# KiCad board AICORS_PCB.kicad_pcb (continued)
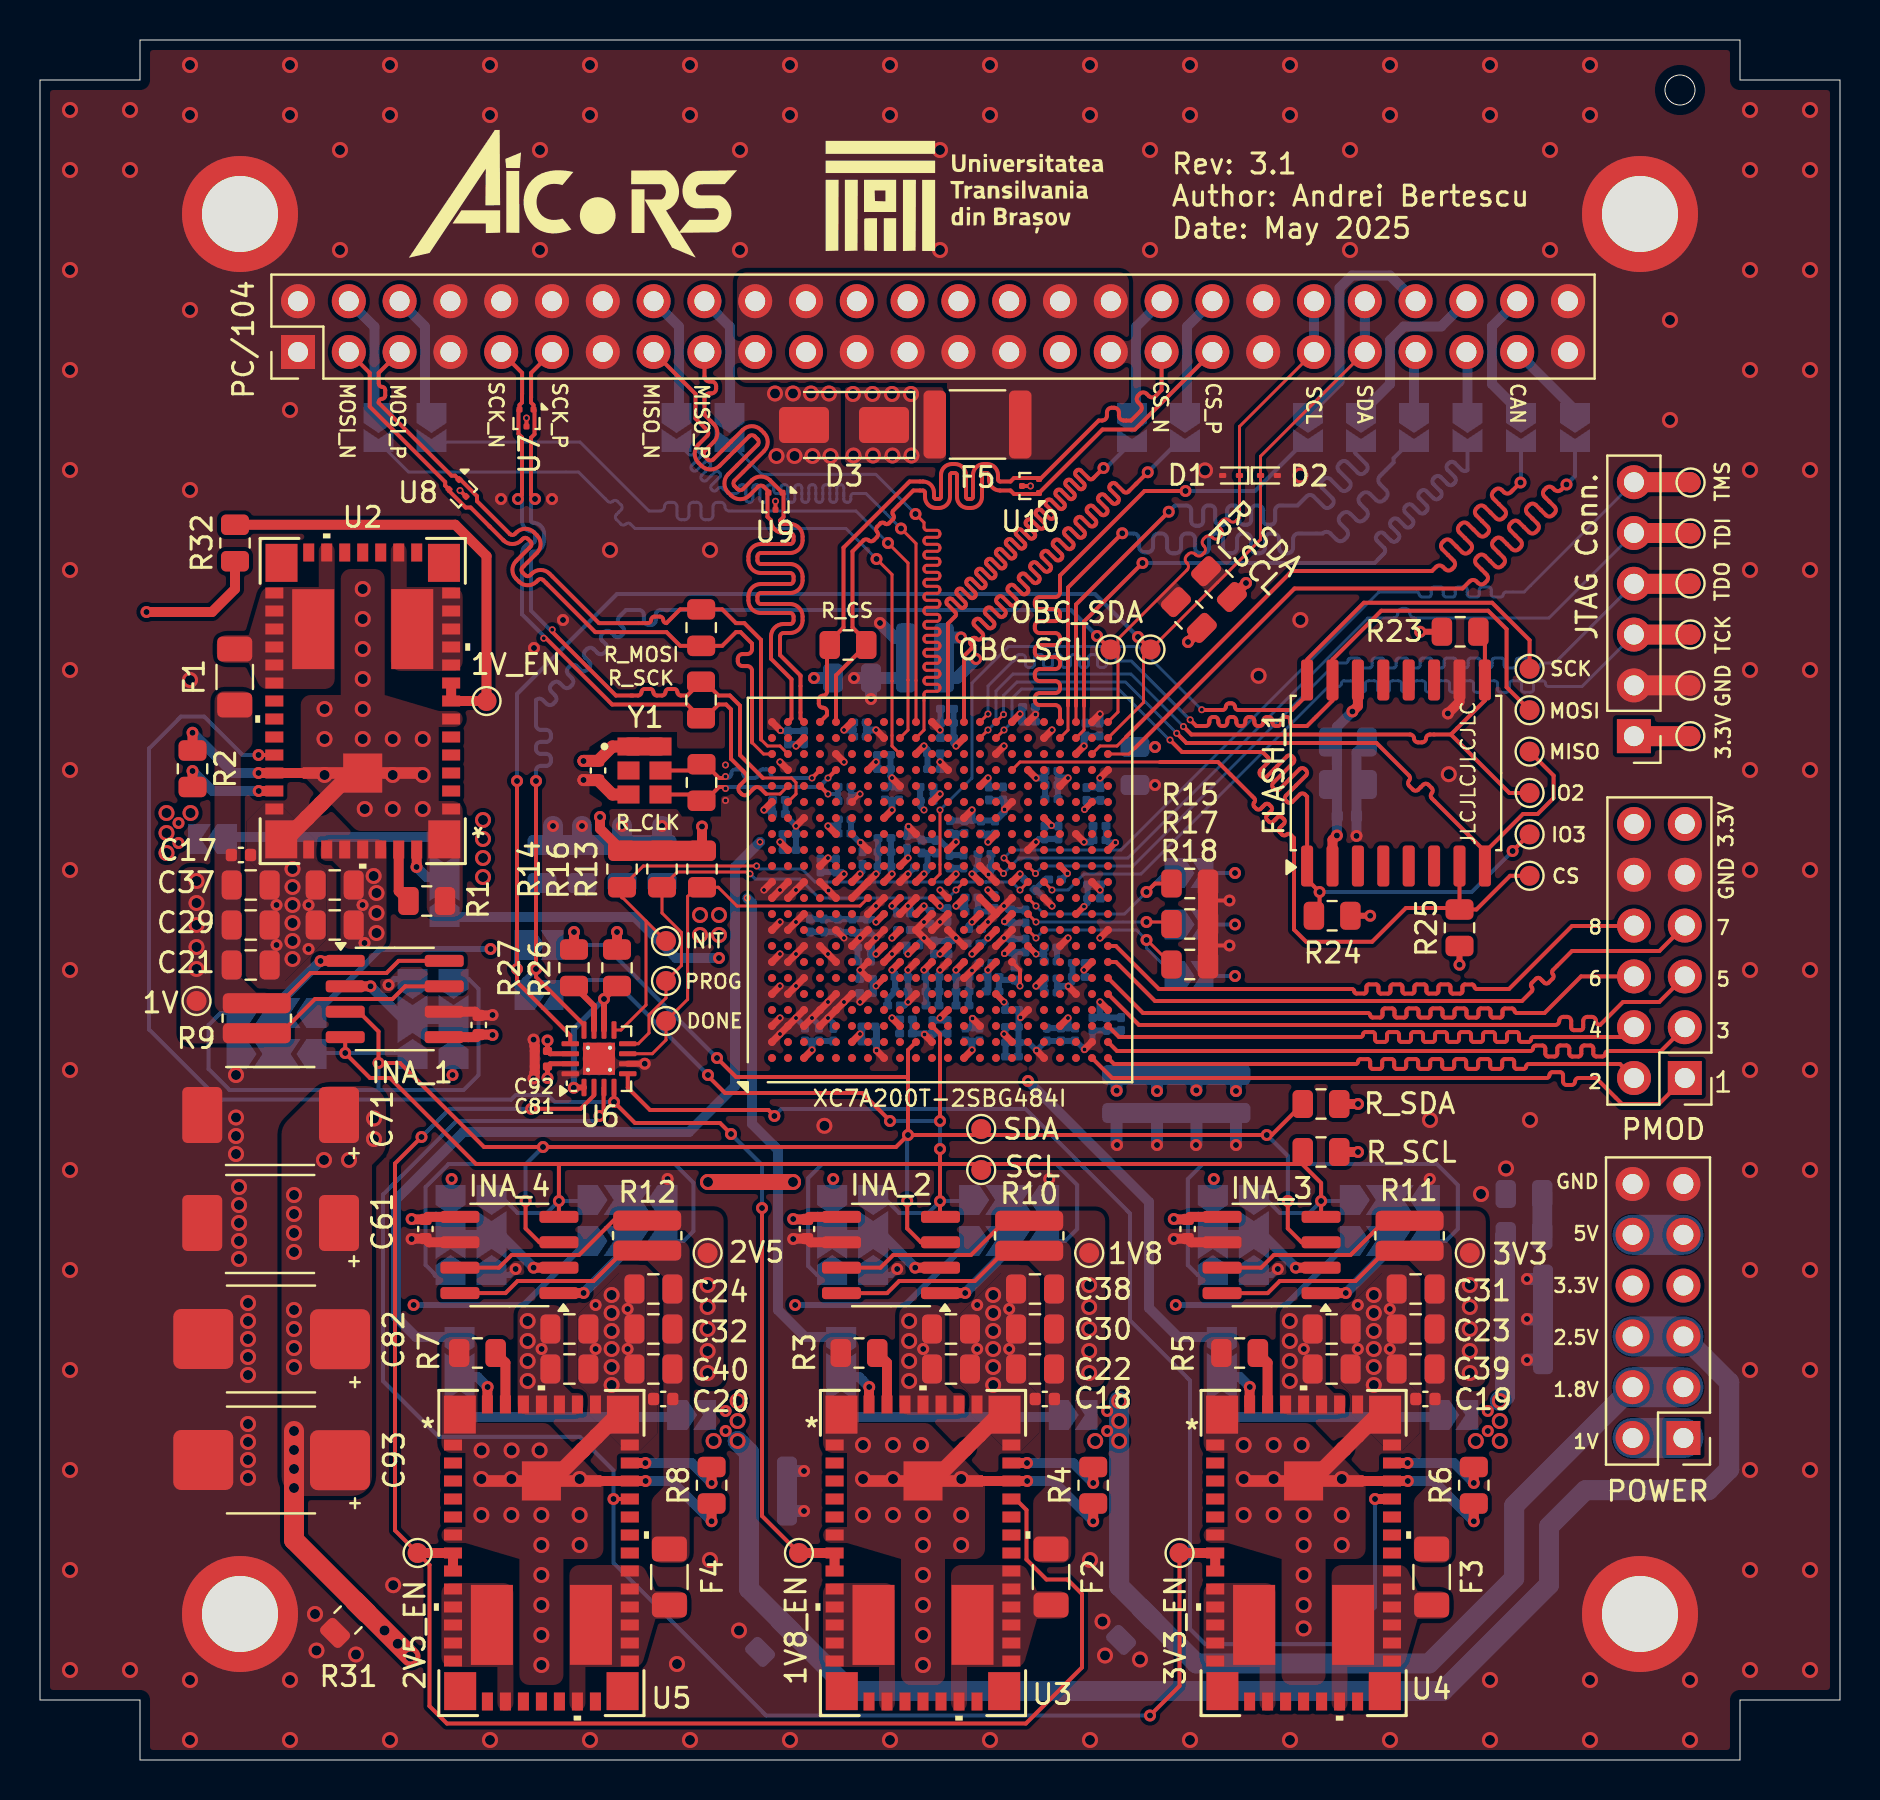
[diagram p0: board, top side]
## Routing (per net, layer and track width the routed paths; a pad name or vN(x,y) marks a point on that pad's centre or on a via; arc(x,y) is an arc through that point) (continued)
SPI_1_MOSI_IO0: length 46.6
  Top w0.15: U1.P22 v2(47.4,52.3)
  Top w0.2: v2(57.51,52.01) 57.82,51.7 58.29,51.7 arc(58.41,51.75) 58.47,51.88 58.47,51.97 arc(58.52,52.1) 58.65,52.15 58.74,52.15 arc(58.86,52.1) 58.92,51.97 58.92,51.88 arc(58.97,51.75) 59.1,51.7 59.19,51.7 arc(59.31,51.75) 59.37,51.88 59.37,51.97 arc(59.42,52.1) 59.55,52.15 59.64,52.15 arc(59.76,52.1) 59.82,51.97 59.82,51.88 arc(59.87,51.75) 60,51.7 60.09,51.7 arc(60.21,51.75) 60.27,51.88 60.27,51.97 arc(60.32,52.1) 60.45,52.15 60.54,52.15 arc(60.66,52.1) 60.72,51.97 60.72,51.88 arc(60.77,51.75) 60.9,51.7 60.99,51.7 arc(61.11,51.75) 61.17,51.88 61.17,51.97 arc(61.22,52.1) 61.35,52.15 61.44,52.15 arc(61.56,52.1) 61.62,51.97 61.62,51.88 arc(61.67,51.75) 61.8,51.7 61.89,51.7 arc(62.01,51.75) 62.07,51.88 62.07,51.97 arc(62.12,52.1) 62.25,52.15 62.34,52.15 arc(62.46,52.1) 62.52,51.97 62.52,51.88 arc(62.57,51.75) 62.7,51.7 63.35,51.7 64.62,52.98 FLASH_1.15 64.62,55.02 67.06,57.46 72.41,57.46 73.33,56.54 73.33,53.64 TP13.1
  Bottom w0.15: v2(47.4,52.3) 47.4,53.7 48.65,54.95 arc(48.76,55) 48.81,55.11 arc(48.86,55.22) 48.97,55.27 49.12,55.27 arc(49.23,55.22) 49.27,55.11 49.27,54.79 arc(49.32,54.68) 49.44,54.63 49.56,54.63 arc(49.68,54.68) 49.73,54.79 49.73,55.11 arc(49.77,55.22) 49.89,55.27 50.01,55.27 arc(50.13,55.22) 50.18,55.11 50.18,54.79 arc(50.22,54.68) 50.34,54.63 50.46,54.63 arc(50.58,54.68) 50.63,54.79 50.63,55.11 arc(50.67,55.22) 50.79,55.27 50.91,55.27 arc(51.03,55.22) 51.07,55.11 51.07,54.79 arc(51.12,54.68) 51.24,54.63 51.36,54.63 arc(51.48,54.68) 51.52,54.79 51.52,55.11 arc(51.57,55.22) 51.69,55.27 51.81,55.27 arc(51.93,55.22) 51.98,55.11 51.98,54.79 arc(52.02,54.68) 52.14,54.63 52.26,54.63 arc(52.38,54.68) 52.43,54.79 52.43,55.11 arc(52.47,55.22) 52.59,55.27 52.71,55.27 arc(52.83,55.22) 52.88,55.11 52.88,54.79 arc(52.92,54.68) 53.04,54.63 53.16,54.63 arc(53.28,54.68) 53.32,54.79 53.32,55.11 arc(53.37,55.22) 53.48,55.27 53.62,55.27 arc(53.73,55.22) 53.77,55.11 arc(53.82,55) 53.93,54.95 54.57,54.95 v2(57.51,52.01)
SPI_1_SCK: length 45.5
  Top w0.15: U1.L12 45,44.3 v2(45,47.5)
  Top w0.2: FLASH_1.16 63.35,53.25 62.6,52.5 59.91,52.5 arc(59.79,52.55) 59.74,52.67 arc(59.69,52.78) 59.58,52.83 59.46,52.83 arc(59.34,52.78) 59.29,52.67 arc(59.24,52.55) 59.13,52.5 58.1,52.5 v2(58.09,52.51) ; 63.35,55.02 66.19,57.86 72.61,57.86 74.48,55.99 TP12.1
  Bottom w0.15: v2(45,47.5) 46.6,49.1 46.6,53.85 48.43,55.67 54.93,55.67 v2(58.09,52.51)
SPI_CS_N: length 38.1
  Top w0.2: J1.35 56.08,68.5 55.78,68.2 arc(55.61,68.13) 55.44,68.2 55.33,68.31 arc(55.16,68.38) 54.99,68.31 54.91,68.23 arc(54.84,68.06) 54.91,67.89 55.02,67.77 arc(55.09,67.6) 55.02,67.43 54.56,66.97 54.19,66.97 arc(54.02,67.05) 53.95,67.21 53.95,67.37 arc(53.88,67.54) 53.71,67.61 53.59,67.61 arc(53.42,67.54) 53.35,67.37 53.35,67.21 arc(53.28,67.05) 53.11,66.97 52.94,66.97 50.01,64.05 U10.2 49.9,64.1 48.7,64.1 48.52,63.92 48,63.92 arc(47.93,63.95) 47.9,64.02 47.9,64.25 arc(47.74,64.64) 47.35,64.8 47.2,64.8 arc(46.81,64.64) 46.65,64.25 46.65,63.15 arc(46.62,63.08) 46.55,63.05 46.4,63.05 arc(46.33,63.08) 46.3,63.15 46.3,64.25 arc(46.14,64.64) 45.75,64.8 45.6,64.8 arc(45.21,64.64) 45.05,64.25 45.05,63.15 arc(45.02,63.08) 44.95,63.05 44.8,63.05 arc(44.73,63.08) 44.7,63.15 44.7,63.38 arc(44.54,63.76) 44.15,63.92 43.48,63.92 40.18,60.62 40.18,56.62 39.49,55.94 R37.1 39.35,55.61 39.35,53.42 arc(39.29,53.27) 39.14,53.21 arc(39,53.15) 38.94,53.01 38.94,52.82 arc(39,52.67) 39.14,52.61 arc(39.29,52.55) 39.35,52.41 39.35,52.25 U1.D22
SPI_CS_P: length 38.1
  Top w0.2: U1.E22 39.8,54.24 R37.2 41.31,55.94 40.63,56.62 40.63,60.43 41.18,60.98 arc(41.3,61.04) 41.43,60.98 arc(41.56,60.93) 41.68,60.98 41.85,61.15 arc(41.91,61.28) 41.85,61.41 arc(41.8,61.53) 41.85,61.66 42.03,61.83 arc(42.13,61.88) 42.23,61.83 arc(42.34,61.79) 42.44,61.83 42.66,62.05 arc(42.7,62.15) 42.66,62.26 arc(42.61,62.36) 42.66,62.46 43.67,63.47 44.15,63.47 arc(44.22,63.45) 44.25,63.38 44.25,63.15 arc(44.41,62.76) 44.8,62.6 44.95,62.6 arc(45.34,62.76) 45.5,63.15 45.5,64.25 arc(45.53,64.32) 45.6,64.35 45.75,64.35 arc(45.82,64.32) 45.85,64.25 45.85,63.15 arc(46.01,62.76) 46.4,62.6 46.55,62.6 arc(46.94,62.76) 47.1,63.15 47.1,64.25 arc(47.13,64.32) 47.2,64.35 47.35,64.35 arc(47.42,64.32) 47.45,64.25 47.45,64.02 arc(47.61,63.64) 48,63.47 48.52,63.47 48.7,63.3 49.9,63.3 U10.1 53.13,66.52 54.74,66.52 J1.37
SPI_MISO_IO1_N: length 38
  Top w0.2: U1.B22 37.57,52.07 37.57,54.04 36.55,55.06 36.55,56.17 arc(36.73,56.62) 37.18,56.8 37.5,56.8 arc(37.63,56.85) 37.68,56.97 37.68,57.17 arc(37.63,57.3) 37.5,57.35 36.05,57.35 arc(35.6,57.53) 35.42,57.97 35.42,58.17 arc(35.6,58.62) 36.05,58.8 37.5,58.8 arc(37.63,58.85) 37.68,58.97 37.68,59.17 arc(37.63,59.3) 37.5,59.35 36.05,59.35 arc(35.6,59.53) 35.42,59.97 35.42,60.17 arc(35.6,60.62) 36.05,60.8 37.5,60.8 arc(37.63,60.85) 37.68,60.97 37.68,61.17 arc(37.63,61.3) 37.5,61.35 37.18,61.35 arc(36.73,61.53) 36.55,61.97 36.55,61.98 36.37,62.16 36.37,63.31 U9.2 36.43,63.43 36.18,63.67 arc(36.05,63.72) 35.91,63.67 35.47,63.23 arc(35.01,63.04) 34.56,63.23 34.41,63.38 arc(34.22,63.83) 34.41,64.29 35.88,65.76 arc(35.94,65.9) 35.88,66.04 35.73,66.19 arc(35.59,66.24) 35.46,66.19 33.98,64.71 arc(33.53,64.52) 33.07,64.71 32.92,64.86 arc(32.73,65.32) 32.92,65.77 33.36,66.21 arc(33.42,66.35) 33.36,66.49 32.77,67.08 32.77,68.3 J1.15
SPI_MISO_IO1_P: length 38
  Top w0.2: J1.17 33.23,70.39 33.23,69.17 arc(33.3,69) 33.46,68.93 33.57,68.93 arc(33.74,68.86) 33.81,68.69 33.81,68.57 arc(33.74,68.4) 33.57,68.33 33.46,68.33 arc(33.3,68.26) 33.23,68.09 33.23,67.26 33.68,66.81 arc(33.87,66.35) 33.68,65.89 33.24,65.46 arc(33.18,65.32) 33.24,65.18 33.39,65.03 arc(33.53,64.97) 33.67,65.03 35.14,66.5 arc(35.59,66.69) 36.05,66.5 36.2,66.35 arc(36.39,65.9) 36.2,65.44 34.73,63.97 arc(34.67,63.83) 34.73,63.69 34.88,63.55 arc(35.01,63.49) 35.15,63.55 35.59,63.99 arc(36.05,64.17) 36.5,63.99 U9.1 37.18,63.31 37.18,62.15 37,61.97 arc(37.05,61.85) 37.18,61.8 37.5,61.8 arc(37.95,61.62) 38.13,61.17 38.13,60.97 arc(37.95,60.53) 37.5,60.35 36.05,60.35 arc(35.92,60.3) 35.87,60.17 35.87,59.97 arc(35.92,59.85) 36.05,59.8 37.5,59.8 arc(37.95,59.62) 38.13,59.17 38.13,58.97 arc(37.95,58.53) 37.5,58.35 36.05,58.35 arc(35.92,58.3) 35.87,58.17 35.87,57.97 arc(35.92,57.85) 36.05,57.8 37.5,57.8 arc(37.95,57.62) 38.13,57.17 38.13,56.97 arc(37.95,56.53) 37.5,56.35 37.18,56.35 arc(37.05,56.3) 37,56.17 37,55.25 38.02,54.22 38.02,52.07 U1.C22
SPI_MOSI_IO0_N: length 37.7
  Top w0.15: 35.6,50.88 36.18,50.3 U1.A20
  Top w0.2: 35.6,50.88 35.6,54.46 arc(35.53,54.63) 35.36,54.7 35.13,54.7 arc(34.96,54.77) 34.89,54.94 34.89,55.06 arc(34.96,55.23) 35.13,55.3 35.36,55.3 arc(35.53,55.37) 35.6,55.54 35.6,55.82 35.03,56.39 34.8,56.39 34.11,55.71 R36.1 32.01,55.71 31.32,56.39 27.76,56.39 25.16,59 arc(25.03,59.05) 24.91,59 24.83,58.92 arc(24.39,58.74) 23.94,58.92 23.8,59.06 arc(23.62,59.5) 23.8,59.95 24.53,60.67 arc(24.58,60.8) 24.53,60.92 24.39,61.06 arc(24.26,61.11) 24.14,61.06 24.06,60.98 arc(23.62,60.8) 23.18,60.98 21.53,62.62 21.28,62.62 20.45,63.46 U8.2 20.26,63.72 20.26,63.9 16.49,67.67 16.49,69.35 J1.3
SPI_MOSI_IO0_P: length 37.7
  Top w0.15: U1.B20 37,50.7 36.38,50.7 36.05,51.02
  Top w0.2: J1.5 16.93,69.35 16.93,68.82 arc(16.98,68.71) 17.1,68.66 arc(17.21,68.61) 17.26,68.5 17.26,68.22 arc(17.21,68.11) 17.1,68.06 arc(16.98,68.01) 16.93,67.9 16.93,67.86 20.58,64.22 20.75,64.22 U8.1 21.02,64.02 21.85,63.19 21.85,62.94 23.49,61.3 arc(23.62,61.25) 23.74,61.3 23.82,61.38 arc(24.26,61.56) 24.71,61.38 24.85,61.24 arc(25.03,60.8) 24.85,60.35 24.12,59.63 arc(24.07,59.5) 24.12,59.38 24.26,59.24 arc(24.39,59.19) 24.51,59.24 24.59,59.32 arc(25.03,59.5) 25.47,59.32 27.95,56.84 30.4,56.84 arc(30.51,56.89) 30.56,57.01 arc(30.61,57.12) 30.72,57.17 31,57.17 arc(31.11,57.12) 31.16,57.01 arc(31.21,56.89) 31.32,56.84 32.01,57.53 R36.2 34.11,57.53 34.8,56.84 35.21,56.84 36.05,56.01 36.05,51.02
SPI_SCK_N: length 35.2
  Top w0.15: 36.31,48.3 37,48.3 U1.B18
  Top w0.2: 36.31,48.3 36.03,48.58 arc(35.86,48.65) 35.69,48.58 35.41,48.3 arc(35.24,48.23) 35.08,48.3 34.99,48.39 arc(34.92,48.56) 34.99,48.73 35.26,49 arc(35.33,49.17) 35.26,49.34 34.55,50.06 34.55,52.53 34.31,52.77 33.93,52.77 33.24,52.09 R34.1 32.36,52.77 28.61,52.77 25.29,56.09 v2(25.19,56.09) ; v1(23.9,63.05) 24.1,63.25 24.1,66.13 23.92,66.3 23.92,67.47 U7.2 23.98,67.75 24.1,67.88 24.1,68.29 24.1,68.3 24.1,69.35 J1.9
  Bottom w0.2: v2(25.19,56.09) 25.19,56.19 24.1,57.28 24.1,60.31 arc(24.26,60.7) 24.65,60.86 arc(24.72,60.89) 24.75,60.96 24.75,61.31 arc(24.72,61.38) 24.65,61.41 arc(24.26,61.57) 24.1,61.96 24.1,62.85 v1(23.9,63.05)
SPI_SCK_P: length 35.2
  Top w0.15: 36.14,49.1 37.57,49.1 37.8,48.88 37.8,48.3 U1.B17
  Top w0.2: v1(24.75,63.05) 24.55,63.25 24.55,66.11 24.73,66.29 24.73,67.47 24.68,67.52 24.68,67.75 24.55,67.88 24.55,68.12 24.55,68.13 24.55,69.35 J1.11 ; v2(25.61,56.51) 25.61,56.41 28.79,53.23 29.91,53.23 arc(30.02,53.27) 30.07,53.39 arc(30.12,53.5) 30.23,53.55 30.51,53.55 arc(30.62,53.5) 30.67,53.39 arc(30.72,53.27) 30.83,53.23 31.11,53.23 arc(31.22,53.27) 31.27,53.39 arc(31.32,53.5) 31.43,53.55 31.71,53.55 arc(31.82,53.5) 31.87,53.39 arc(31.92,53.27) 32.03,53.23 32.36,53.23 R34.2 33.24,53.91 33.93,53.22 34.49,53.22 35,52.72 35,50.24 36.14,49.1
  Bottom w0.2: v2(25.61,56.51) 25.51,56.51 24.55,57.47 24.55,60.31 arc(24.58,60.38) 24.65,60.41 arc(25.04,60.57) 25.2,60.96 25.2,61.31 arc(25.04,61.7) 24.65,61.86 arc(24.58,61.89) 24.55,61.96 24.55,62.85 v1(24.75,63.05)
SYS_CLK_N: length 9.6
  Top w0.2: U1.D19 v2(38.6,49.1) ; v2(34.27,49.17) 34.2,49.1 33.95,49.1 33.26,49.79 R35.1 32.76,49.47 Y1.5
  Bottom w0.2: v2(38.6,49.1) 36.75,49.1 arc(36.6,49.16) 36.53,49.32 arc(36.47,49.47) 36.32,49.53 36.15,49.53 arc(36,49.47) 35.93,49.32 arc(35.87,49.16) 35.72,49.1 35.38,49.1 arc(35.23,49.16) 35.17,49.32 arc(35.1,49.47) 34.95,49.53 34.78,49.53 arc(34.63,49.47) 34.57,49.32 arc(34.5,49.16) 34.35,49.1 v2(34.27,49.17)
SYS_CLK_P: length 9.6
  Top w0.2: v2(34.27,48.57) 34.2,48.65 33.95,48.65 33.26,47.96 R35.2 32.76,48.27 Y1.4 ; U1.E19 v2(39.4,49.1)
  Bottom w0.2: v2(34.27,48.57) 34.35,48.65 38.95,48.65 v2(39.4,49.1)
Net-(INA_1-A0): length 6.1
  Top w0.5: v1(16.53,38.68) 15.26,38.68
  Bottom w0.5: v1(16.53,38.68) 18.16,37.05 A0_1.5
Net-(INA_1-A1): length 6.9
  Top w0.5: INA_1.1 14.03,39.95 v1(14.03,39.95)
  Bottom w0.5: v1(14.03,39.95) 11.83,37.75 A1_1.5 ; A1_1.5 11.93,37.35 ; A1_1.5 A1_1.5
Net-(INA_1-IN+): length 8.8
  Top w0.2: INA_1.8 17.93,39.95 17.33,39.35 13.53,39.35 12.37,38.19 12.37,37.93
Net-(INA_2-A0): length 6.1
  Top w0.5: v1(43.76,24.61) INA_2.2
  Bottom w0.5: v1(43.76,24.61) 42.12,26.25 A0_2.5
Net-(INA_2-A1): length 6.9
  Top w0.5: v1(46.26,23.35) 46.25,23.34 INA_2.1
  Bottom w0.5: 48.36,25.95 A1_2.5 ; A1_2.5 48.46,25.55 v1(46.26,23.35) ; A1_2.5 A1_2.5
Net-(INA_2-IN+): length 8.8
  Top w0.2: INA_2.8 42.35,23.34 42.96,23.95 46.74,23.95 47.92,25.13 47.92,25.36
Net-(INA_3-A0): length 6.1
  Top w0.5: v1(62.79,24.61) INA_3.2
  Bottom w0.5: v1(62.79,24.61) 61.16,26.25 A0_3.5
Net-(INA_3-A1): length 6.9
  Top w0.5: INA_3.1 65.29,23.34 v1(65.29,23.35)
  Bottom w0.5: A1_3.5 A1_3.5 ; A1_3.5 67.39,25.95 ; A1_3.5 67.49,25.55 v1(65.29,23.35)
Net-(INA_3-IN+): length 8.8
  Top w0.2: INA_3.8 61.39,23.34 61.99,23.95 65.78,23.95 66.95,25.12 66.95,25.36
Net-(INA_4-A0): length 6.1
  Top w0.5: v1(24.68,24.62) INA_4.2
  Bottom w0.5: v1(24.68,24.62) 23.05,26.25 A0_4.5
Net-(INA_4-A1): length 6.9
  Top w0.5: v1(27.18,23.35) 27.18,23.35 INA_4.1
  Bottom w0.5: v1(27.18,23.35) 29.38,25.55 A1_4.5 ; 29.28,25.95 A1_4.5 ; A1_4.5 A1_4.5
Net-(INA_4-IN+): length 8.8
  Top w0.2: 28.84,25.37 28.84,25.11 27.68,23.95 23.88,23.95 23.28,23.35 INA_4.8
Net-(J1-Pin_4): length 6.2
  Bottom w0.5: J1.4 16.73,71.66 16.73,67.55 JP14.1
Net-(J1-Pin_6): length 6.3
  Bottom w0.5: J1.6 19.25,71.67 19.25,67.67 JP15.1
Net-(J1-Pin_16): length 6.2
  Bottom w0.5: JP16.1 31.95,67.47 31.95,71.67 J1.16
Net-(J1-Pin_18): length 6.1
  Bottom w0.5: J1.18 34.5,71.66 34.5,67.38 JP17.1
Net-(J1-Pin_36): length 6.2
  Bottom w0.5: JP18.1 54.8,67.55 54.8,71.66 J1.36
Net-(J1-Pin_38): length 6.2
  Bottom w0.5: JP19.1 57.35,67.45 57.35,71.67 J1.38
Net-(J1-Pin_45): length 3.1
  Bottom w0.5: J1.45 68.7,70.32 JP21.1
Net-(J1-Pin_46): length 11.5
  Bottom w0.5: J1.46 67.5,74.22 65.6,74.22 64.97,73.6 64.97,68.92 JP20.1
Net-(J1-Pin_47): length 3.1
  Bottom w0.5: JP23.1 71.38,70.34 J1.47
Net-(J1-Pin_48): length 8.9
  Bottom w0.5: JP22.1 67.5,68.8 67.5,70.99 68.19,71.67 70.06,71.67 J1.48
Net-(J1-Pin_49): length 4.2
  Bottom w0.5: J1.49 76.75,67.51 JP25.1
Net-(J1-Pin_50): length 6.7
  Bottom w0.5: J1.50 72.6,71.68 72.6,68.8 JP24.1
Net-(JP1-B): length 13.1
  Bottom w0.5: JP1.3 29.75,42.15 31.8,40.1 NT1.1
Net-(JP1-C): length 2.5
  Top w0.5: v1(18.83,44.65) 18.83,44.74 18.84,44.75 U2.44
  Bottom w0.5: v1(18.83,44.65) 19.33,44.15 JP1.2
Net-(JP2-B): length 23
  Bottom w0.5: JP2.3 38.25,21.15 36.9,22.5 36.9,30.51 35.6,31.81 NT2.1
Net-(JP2-C): length 2.5
  Top w0.5: U3.44 41.45,18.55 41.46,18.56 v1(41.46,18.65)
  Bottom w0.5: v1(41.46,18.65) 40.96,19.15 JP2.2
Net-(JP3-B): length 1.2
  Bottom w0.5: JP3.3 NT3.1
Net-(JP3-C): length 2.5
  Top w0.5: U4.44 60.48,18.55 60.49,18.56 v1(60.49,18.65)
  Bottom w0.5: v1(60.49,18.65) 59.99,19.15 JP3.2
Net-(JP4-B): length 38.6
  Bottom w0.5: JP4.3 18.8,21.15 17.8,22.15 17.8,28.03 21.17,31.4 32.45,31.4 34.75,33.7 NT4.1
Net-(JP4-C): length 2.5
  Top w0.5: U5.44 22.37,18.55 22.38,18.56 v1(22.38,18.65)
  Bottom w0.5: JP4.2 21.88,19.15 v1(22.38,18.65)
Net-(R28-Pad2): length 2.1
  Bottom w1: R33.1 R28.2
Net-(U2-RT/CLK): length 5.3
  Top w0.5: R2.2 v1(7.63,49.45) ; v1(10.94,48.45) U2.35
  Bottom w0.5: v1(10.94,48.45) 8.63,48.45 v1(7.63,49.45)
Net-(U2-VADJ): length 2.8
  Top w0.5: U2.43 17.94,43.44 R1.2
Net-(U3-RT/CLK): length 5.3
  Top w0.5: v1(49.35,14.85) U3.35 ; R4.2 v1(52.66,13.85)
  Bottom w0.5: v1(49.35,14.85) 51.66,14.85 v1(52.66,13.85)
Net-(U3-VADJ): length 2.8
  Top w0.5: R3.2 42.35,19.86 U3.43
Net-(U4-RT/CLK): length 5.3
  Top w0.5: R6.2 v1(71.69,13.85) ; v1(68.38,14.85) U4.35
  Bottom w0.5: v1(68.38,14.85) 70.69,14.85 v1(71.69,13.85)
Net-(U4-VADJ): length 2.8
  Top w0.5: U4.43 61.38,19.86 R5.2
Net-(U5-RT/CLK): length 5.3
  Top w0.5: v1(30.27,14.85) U5.35 ; R8.2 v1(33.58,13.85)
  Bottom w0.5: v1(33.58,13.85) 32.58,14.85 v1(30.27,14.85)
Net-(U5-VADJ): length 2.8
  Top w0.5: R7.2 23.27,19.86 U5.43
Net-(U6-~{INT}): length 2.6
  Top w0.3: U6.11 27.7,37.7 R27.1

## Copper pours and planes (outline as drawn; the poured copper is in the pictures)
+1.8V on Bottom: 52.16,18.45 54.56,18.45 54.56,15.45 52.16,15.45
+1.8V on In2.Cu: 31.11,44.47 47.89,44.47 47.89,43.32 45.26,43.32 44.46,42.52 43.36,42.52 43.04,42.85 31.11,42.85
+1.8V on In2.Cu: 31.11,44.35 31.11,38.29 38.25,31.15 49.95,31.15 53.15,27.95 53.15,19.35 52.15,18.35 52.15,15.4 54.55,15.4 54.55,28.95 50.45,33.05 39,33.05 32.41,39.64 32.41,44.35
+2.5V on Bottom: 33.1,18.45 35.5,18.45 35.5,15.45 33.1,15.45
+2.5V on In2.Cu: 29.7,44.55 40.96,44.55 40.96,52.12 35.96,52.12 35.96,46.1 29.7,46.1
+2.5V on In2.Cu: 29.7,46.05 29.7,36.65 34.2,32.15 34.2,18.65 33.1,17.55 33.1,15.45 35.45,15.45 36.35,16.35 36.35,32.75 31,38.04 31,46.05
+3.3V on Bottom: 71.2,18.5 73.6,18.5 73.6,15.5 71.2,15.5
+3.3V on In2.Cu: 78.4,69.8 84.1,64.1 84.1,14.4 82.8,13.1 9.9,13.1 5.7,17.3 5.7,63.2 12.3,69.8
+5V on Top: 61.99,17.25 61.99,22.75 64.29,22.75 64.29,18.75 64.69,18.35 65.29,18.35 65.29,17.25
+5V on Top: 23.88,17.25 23.88,22.75 26.18,22.75 26.18,18.75 26.58,18.35 27.18,18.35 27.18,17.25
+5V on Top: 42.96,17.25 42.96,22.75 45.26,22.75 45.26,18.75 45.66,18.35 46.26,18.35 46.26,17.25
+5V on Top: 17.33,46.05 17.33,40.55 15.03,40.55 15.03,44.55 14.63,44.95 14.03,44.95 14.03,46.05
+5V on Top: 40.25,68.7 45.35,68.7 45.35,64.85 40.25,64.85
+5V on Bottom: 62,22.75 64.3,22.75 64.3,18.55 62,18.55
+5V on Bottom: 42.95,22.75 45.25,22.75 45.25,18.55 42.95,18.55
+5V on Bottom: 23.9,22.75 26.2,22.75 26.2,18.55 23.9,18.55
+5V on Bottom: 17.35,40.55 15.05,40.55 15.05,44.75 17.35,44.75
+5V on In2.Cu: 36.63,74.35 36.63,68.85 40.25,68.85 40.25,64.55 50.93,64.55 54.45,69.8 54.45,74.85 48.05,81.25 7.6,81.25 2.6,76.25 2.6,10.28 9.94,3.55 69.7,3.55 69.7,22.25 18.9,22.25 14.4,17.75 14.4,13.1 9.9,13.1 6.05,16.95 6.05,35.05 13.15,35.05 17.65,39.55 17.65,44.71 5.7,44.71 5.7,63.17 16.88,74.35
+5V_Unfused on Top: 34.85,74.4 34.85,69.17 35.12,68.85 45.35,68.85 45.35,65.04 51.11,65.01 54.45,68.05 54.45,74.4
/1V8_SENSE on Top: 48.66,27.47 53.26,27.47 53.26,18.65 51.76,18.65 51.76,26.05 51.34,26.47 48.66,26.47
/1V8_SENSE on Bottom: 53.26,24.35 50.16,24.35 50.16,16.45 51.56,16.45 51.56,18.75 53.26,18.75
/1V_SENSE on Top: 11.63,35.83 7.03,35.83 7.03,44.65 8.53,44.65 8.53,37.25 8.93,36.85 11.63,36.85
/1V_SENSE on Bottom: 7.03,38.95 10.13,38.95 10.13,46.85 8.73,46.85 8.73,44.55 7.03,44.55
/2V5_SENSE on Top: 29.58,27.48 34.18,27.48 34.18,18.65 32.68,18.65 32.68,26.05 32.24,26.49 29.58,26.49
/2V5_SENSE on Bottom: 34.18,24.35 31.08,24.35 31.08,16.45 32.48,16.45 32.48,18.75 34.18,18.75
/3V3_SENSE on Top: 67.69,27.47 72.29,27.47 72.29,18.65 70.79,18.65 70.79,26.05 70.37,26.47 67.69,26.47
/3V3_SENSE on Bottom: 72.29,24.35 69.19,24.35 69.19,16.45 70.59,16.45 70.59,18.75 72.29,18.75
AGND_1V on Top: 19.34,42.15 19.34,46.45 15.84,46.45 13.04,49.35 13.04,53.25 15.04,53.25 15.04,59.55 17.24,59.55 17.24,53.25 19.94,52.45 21.14,52.45 21.14,51.65 19.94,51.65 19.94,47.95 21.14,47.95 21.14,42.15
AGND_1V on Bottom, In1.Cu, In2.Cu: 21.14,46.85 21.14,59.15 14.99,59.15 14.99,53.25 13.04,53.25 13.04,49.35 15.45,46.85
AGND_1V8 on Top: 40.95,21.15 40.95,16.85 44.45,16.85 47.25,13.95 47.25,10.05 45.25,10.05 45.25,3.75 43.05,3.75 43.05,10.05 40.35,10.85 39.15,10.85 39.15,11.65 40.35,11.65 40.35,15.35 39.15,15.35 39.15,21.15
AGND_1V8 on Bottom, In1.Cu, In2.Cu: 39.14,16.45 39.14,4.29 45.3,4.29 45.3,10.05 47.25,10.05 47.25,13.95 44.84,16.45
AGND_2V5 on Top: 21.87,21.15 21.87,16.85 25.37,16.85 28.17,13.95 28.17,10.05 26.17,10.05 26.17,3.75 23.97,3.75 23.97,10.05 21.27,10.85 20.07,10.85 20.07,11.65 21.27,11.65 21.27,15.35 20.07,15.35 20.07,21.15
AGND_2V5 on Bottom, In1.Cu, In2.Cu: 20.06,16.45 20.06,4.22 26.22,4.22 26.22,10.05 28.17,10.05 28.17,13.95 25.76,16.45
AGND_3V3 on Top: 59.98,21.15 59.98,16.85 63.48,16.85 66.28,13.95 66.28,10.05 64.28,10.05 64.28,3.75 62.08,3.75 62.08,10.05 59.38,10.85 58.18,10.85 58.18,11.65 59.38,11.65 59.38,15.35 58.18,15.35 58.18,21.15
AGND_3V3 on Bottom, In1.Cu, In2.Cu: 58.17,16.45 58.17,6.12 64.33,6.12 64.33,10.05 66.28,10.05 66.28,13.95 63.87,16.45
GND on Top: 29.28,15.45 29.98,15.45 30.88,16.35 30.88,18.25 30.28,18.85 30.28,24.35 28.96,24.35 26.88,22.28 26.88,18.85 27.48,18.25 27.48,17.25
GND on Top: 48.36,15.45 49.06,15.45 49.96,16.35 49.96,18.25 49.36,18.85 49.36,24.35 48.06,24.35 45.96,22.25 45.96,18.85 46.56,18.25 46.56,17.25
GND on Top: 67.39,15.45 68.09,15.45 68.99,16.35 68.99,18.25 68.39,18.85 68.39,24.35 67.09,24.35 64.99,22.25 64.99,18.85 65.59,18.25 65.59,17.25
GND on Top: 11,13.4 6.45,13.4 6.45,34.8 11,34.8
GND on Top: 11.93,47.85 11.23,47.85 10.33,46.95 10.33,45.05 10.93,44.45 10.93,38.95 12.25,38.95 14.33,41.02 14.33,44.45 13.73,45.05 13.73,46.05
GND on Top, Bottom, In1.Cu: 5,84 0,84 0,3 5,3 5,0 85,0 85,3 90,3 90,84 85,84 85,86 5,86
GND on In2.Cu: 85,84 90,84 90,3 85,3 85,0 5,0 5,3 0,3 0,84 5,84 5,86 85,86 ; 1 cut-out
VCCINT on Top: 16.6,13.2 16.6,29.75 17.3,30.45 17.3,33.7 14.1,33.7 12.07,31.67 12.07,13.2
VCCINT on Bottom: 21.6,47.85 22.95,47.85 22.95,44.8 23.3,44.45 32.6,44.45 34.35,42.7 34.35,40.55 33.1,40.55 31.2,42.45 22.6,42.45 21.6,43.45
VCCINT on Bottom: 8.13,44.85 5.73,44.85 5.73,47.85 8.13,47.85
VCCINT on In2.Cu: 5.7,47.85 22.95,47.85 22.95,42.25 20.2,39.5 20.2,33.4 13.9,27.1 13.9,13.2 11.45,13.2 11.45,28.5 17.85,34.9 17.85,44.9 5.7,44.9
VCCINT on In2.Cu: 42.99,42.77 43.31,42.45 44.51,42.45 45.31,43.25 47.89,43.25 48.99,42.15 48.99,40.45 47.36,38.82 42.86,38.82 41.11,40.57 32.51,40.57 32.51,42.77
IIC_SCL_OBC on Top: 56.21,57.51 55.76,57.98 56.74,58.96 57.21,58.47
IIC_SDA_OBC on Top: 58.95,59.77 59.38,59.32 58.4,58.34 57.95,58.81
Net-(F1-Pad1) on Top: 8.84,54.85 10.44,54.85 11.04,53.55 14.74,53.55 14.74,60.85 13.94,60.85 13.94,58.65 11.14,58.65 10.44,56.25 8.84,56.25
Net-(F2-Pad1) on Top: 51.45,8.45 49.85,8.45 49.24,9.75 45.55,9.75 45.55,2.45 46.35,2.45 46.35,4.65 49.15,4.65 49.85,7.05 51.45,7.05
Net-(F3-Pad1) on Top: 70.48,8.45 68.88,8.45 68.27,9.75 64.58,9.75 64.58,2.45 65.38,2.45 65.38,4.65 68.18,4.65 68.88,7.05 70.48,7.05
Net-(F4-Pad1) on Top: 32.37,8.45 30.77,8.45 30.16,9.75 26.47,9.75 26.47,2.45 27.27,2.45 27.27,4.65 30.07,4.65 30.77,7.05 32.37,7.05
Net-(INA_1-IN+) on Top: 10.63,53.45 10.63,50.74 10.04,50.15 10.04,39.15 10.82,38.37 11.63,38.37 11.63,37.36 8.73,37.36 8.73,53.45
Net-(INA_2-IN+) on Top: 49.66,9.85 49.66,13.06 50.25,13.65 50.25,24.15 49.45,24.95 48.66,24.95 48.66,25.97 51.56,25.97 51.56,9.85
Net-(INA_3-IN+) on Top: 68.69,9.85 68.69,13.06 69.28,13.65 69.28,24.15 68.48,24.95 67.69,24.95 67.69,25.98 70.59,25.98 70.59,9.85
Net-(INA_4-IN+) on Top: 30.58,9.85 30.58,13.06 31.17,13.65 31.17,24.15 30.36,24.96 29.58,24.96 29.58,25.97 32.48,25.97 32.48,9.85
Net-(U2-PH-Pad10) on Top: 17.54,54.45 17.54,60.85 18.34,60.85 18.34,58.65 21.14,58.65 21.14,54.45
Net-(U3-PH-Pad10) on Top: 42.75,8.85 42.75,2.45 41.95,2.45 41.95,4.65 39.15,4.65 39.15,8.85
Net-(U4-PH-Pad10) on Top: 61.78,8.85 61.78,2.45 60.98,2.45 60.98,4.65 58.18,4.65 58.18,8.85
Net-(U5-PH-Pad10) on Top: 23.67,8.85 23.67,2.45 22.87,2.45 22.87,4.65 20.07,4.65 20.07,8.85

Small or netless copper shapes (teardrops, artwork), in the pictures only: 4 on Top

## Text on the board
B.Silkscreen: + | D | - | C | Designed in collaboration between / UNITBV Romania and UTM Moldova
F.Silkscreen: JLCJLCJLCJLC | 3.3V | 2.5V | 1.8V | GND | 5V | 1V | 8 | 6 | 4 | 2 | 7 | 5 | 3 | MOSI_N | MOSI_P | SCK_N | SCK_P | MISO_N | MISO_P | CS_N | CS_P | SCL | SDA | CAN | 1 | Rev: 3.1 / Author: Andrei Bertescu / Date: May 2025
